# KiCad board panel2.kicad_pcb (continued)
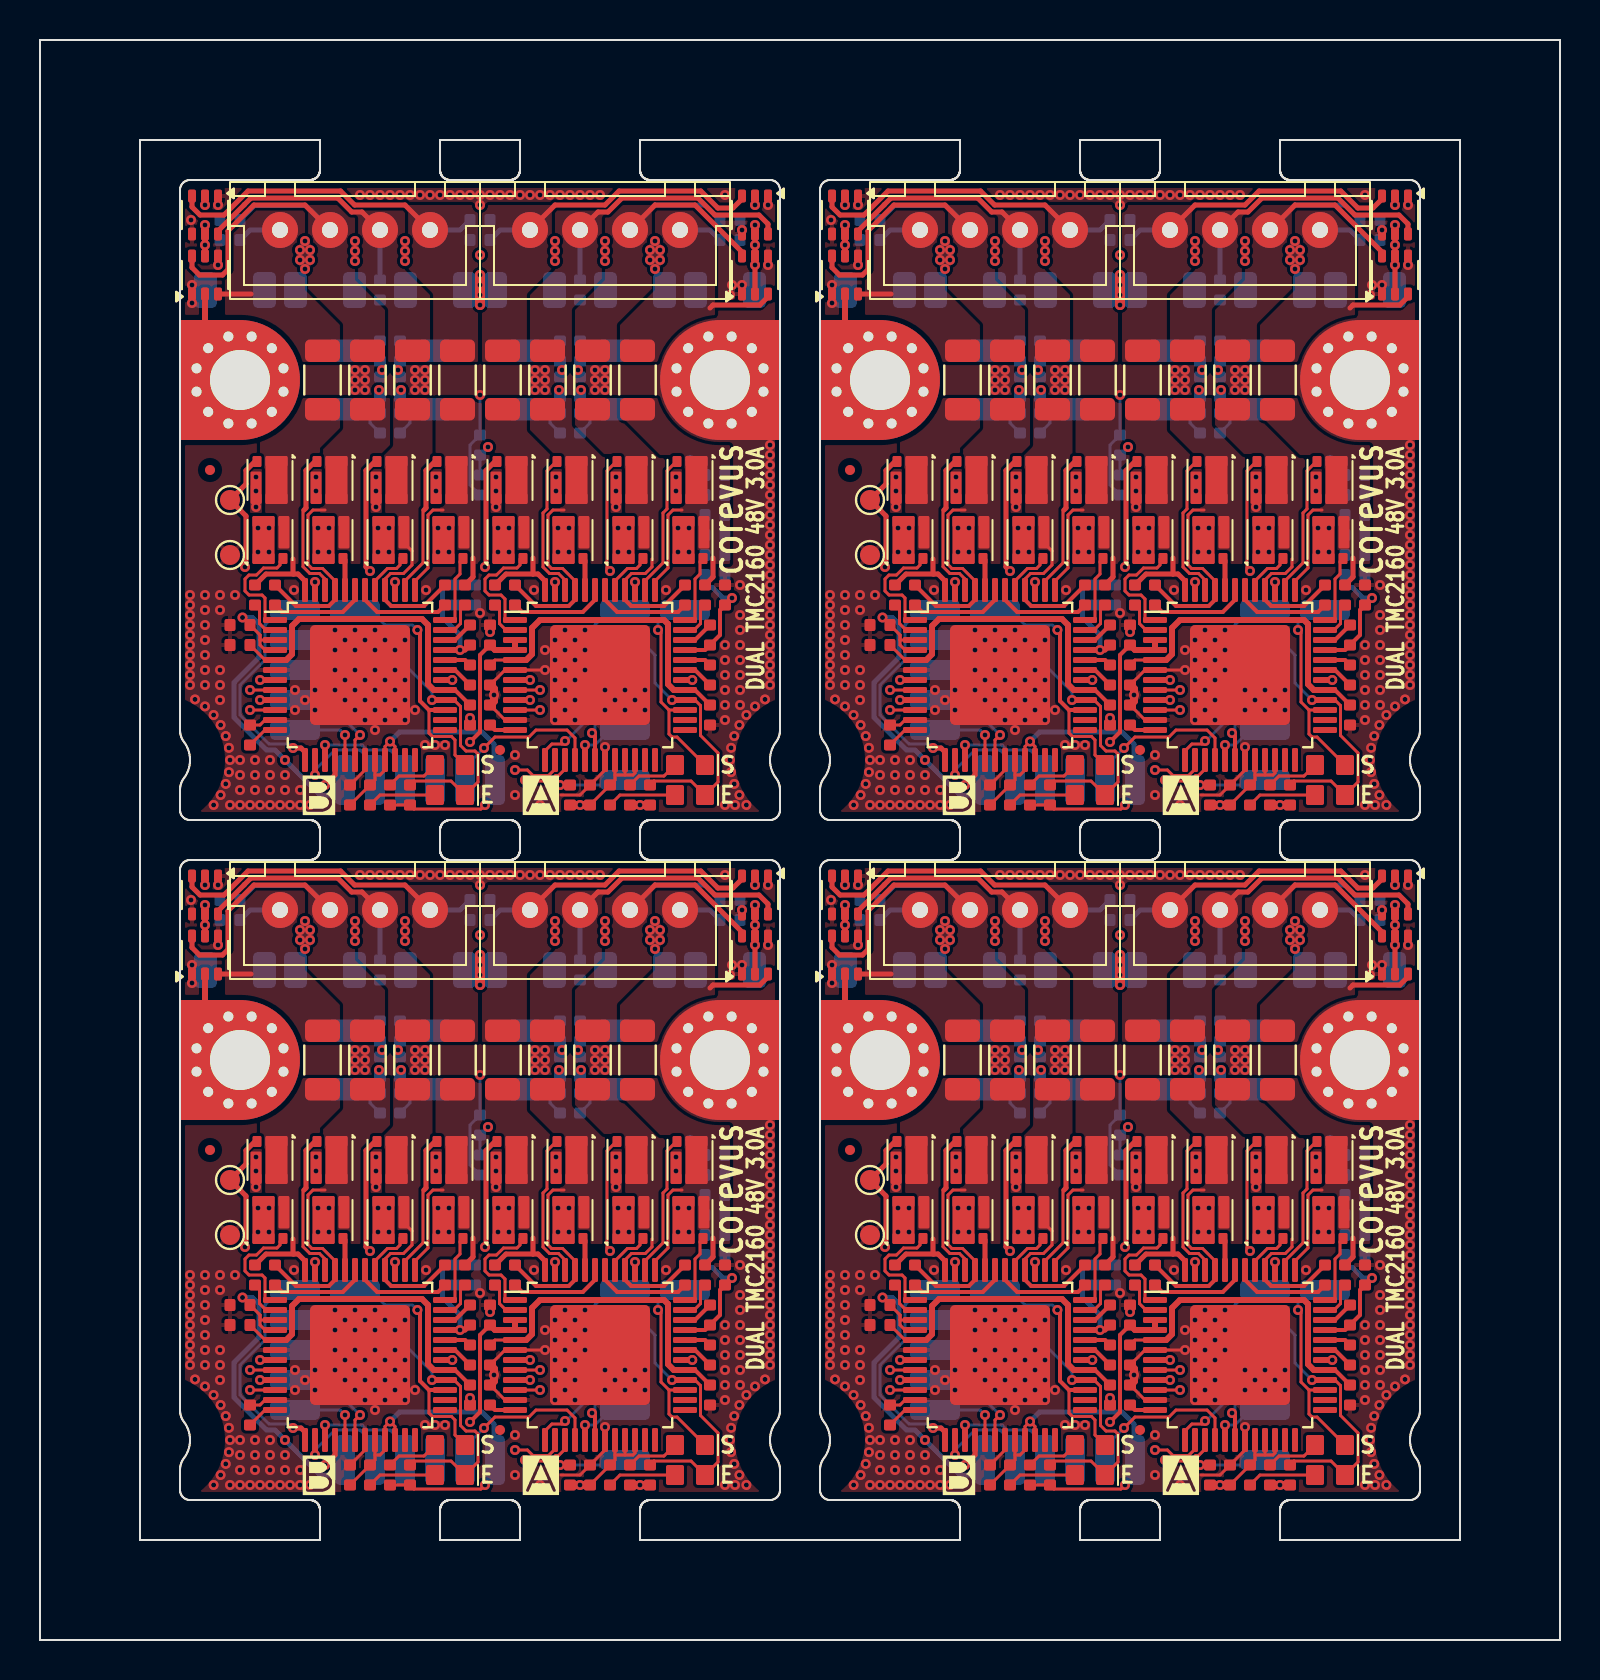
[diagram p0: board, top side]
## Routing (per net, layer and track width the routed paths; a pad name or vN(x,y) marks a point on that pad's centre or on a via; arc(x,y) is an arc through that point) (continued)
  Bottom w0.25: C17#3.2 65.25,71.75 62.75,71.75 J1#3.3
Board_1-/_{MA}A2: length 5.9
  Top w0.15: 62.75,52.95 63.4,53.6 63.4,56.25 63.65,56.5 64.1,56.5
  Top w0.25: 65.65,54.1 65.65,53.15 C11#2.2
Board_1-/_{MA}A2': length 5.6
  Top w0.25: 65.5,66.6 65.65,66.75 67.99,66.75 68.4,67.16 68.4,67.4
  Bottom w0.25: J1#3.4 65.5,70.5 C16.2
Board_1-/_{MA}B1: length 3.7
  Top w0.25: 56.65,53.3 56.65,54.1 ; 56.65,53.3 55.3,53.3 C8#3.2 ; 56.65,53.3 56.9,53.3 57.25,52.95
Board_1-/_{MA}B1': length 14.3
  Top w0.25: D3#2.3 67.1,72.05 66.65,71.6 65.89,71.6 65.04,72.45 60.95,72.45 60.25,71.75 57.75,71.75 J1#3.1
  Bottom w0.25: C19.2 55,70.5 J1#3.1
Board_1-/_{MA}B2: length 8.6
  Top w0.15: 58.75,52.96 58.13,53.58 57.58,53.58 57.4,53.75 57.4,56.25 57.65,56.5 58.2,56.5
  Top w0.2: C9.2 56.8,51.7 58.44,51.7 58.75,52.01
Board_1-/_{MA}B2': length 13.1
  Top w0.25: D3#2.6 68.4,70.8 67.95,71.25 65.74,71.25 64.89,72.1 61.1,72.1 60.4,71.4 59.9,71.4 J1#3.2
  Bottom w0.25: C18#3.2 59,70
Board_1-/_{MA}Dir: length 4.9
  Top w0.2: U1#2.18 59.75,45.2 v1(59.6,45.35)
  Bottom w0.15: v1(59.6,45.35) 59.75,45.5 59.75,47.75 60.5,48.5
Board_1-/_{MA}HA1: length 1.8
  Top w0.15: 60.75,52.96 61.37,53.58 61.82,53.58 62,53.75 62,53.92
Board_1-/_{MA}HA2: length 3
  Top w0.15: 65,53.92 65,53.3 64.75,53.05 64.75,51
Board_1-/_{MA}HB1: length 5.2
  Top w0.15: 55.25,51 55.25,52.05 55.05,52.25 54.45,52.25 54.25,52.45 54.25,53.05 54.45,53.25 54.83,53.25 55.18,53.6 55.85,53.6 56,53.75 56,54.05
Board_1-/_{MA}HB2: length 1.5
  Top w0.25: 59.25,53.98 U1#2.44
Board_1-/_{MA}LA1: length 7.2
  Top w0.15: 60.82,58.92 60.35,58.46 60.35,53.6 v1(60.5,53.45)
  In2.Cu w0.25: v1(60.5,53.45) 61.05,52.9 v1(61.75,52.9)
Board_1-/_{MA}LA2: length 6.6
  Top w0.15: 63.82,58.92 63.35,58.46 63.35,56.55 63.15,56.35 63.15,53.86 62.25,52.96
Board_1-/_{MA}LB1: length 10.2
  Top w0.25: v1(54.25,53.65) 54.3,53.7 54.3,58.48 54.75,58.92
  In2.Cu w0.25: v1(57.75,52.9) 57.75,52.75 56.95,51.95 55.95,51.95 v1(54.25,53.65)
Board_1-/_{MA}LB2: length 6.9
  Top w0.15: 57.82,58.92 57.35,58.46 57.35,56.55 57.15,56.35 57.15,53.65 57.47,53.33 57.93,53.33 58.25,53
Board_1-/_{MA}SRAH: length 19.6
  Top w0.15: U1#2.8 v1(57,47.5)
  In2.Cu w0.15: v1(59.05,62.5) 58.88,62.33 58.88,60.48 60,59.35 60,54.12 59.75,53.5 59.75,52.75 56.5,49.5 56.5,48.6 57,48.1 v1(57,47.5)
  Bottom w0.4: v1(59.05,62.5) 59,62.45 C21#2.2 R11#3.2
Board_1-/_{MA}SRAL: length 19.2
  Top w0.15: U1#2.7 v1(56.5,48)
  In2.Cu w0.15: v1(56.5,48) 56.25,48.25 56.25,49.6 59.5,52.85 59.5,53.62 59.75,54.25 59.75,59.25 58.62,60.38 58.62,63.23 v1(58.9,63.5)
  Bottom w0.4: C21#2.1 58.9,63.25 58.9,63.85 R12#3.2
Board_1-/_{MA}SRBH: length 23.1
  Top w0.15: U1#2.9 v1(56.5,47)
  In2.Cu w0.15: v1(57.95,62.5) 58.12,62.33 58.12,60.17 59.25,59.04 59.25,54.5 59,53.88 59,53.06 55.75,49.81 55.75,46.8 56.55,46 57.12,46 57.43,46.3 57.43,46.7 57.12,47 v1(56.5,47)
  Bottom w0.4: v1(57.95,62.5) 58,62.45 C20#4.2 R8#2.2
Board_1-/_{MA}SRBL: length 21.9
  Top w0.15: U1#2.10 v1(57,46.5)
  In2.Cu w0.15: v1(57,46.5) 56.4,46.5 56,46.9 56,49.71 59.25,52.96 59.25,53.75 59.5,54.38 59.5,59.15 58.38,60.27 58.38,63.23 v1(58.1,63.5)
  Bottom w0.4: C20#4.1 58.1,63.25 58.1,63.85 R9#4.2
Board_1-/_{MA}Stall: length 9.9
  Top w0.15: 63.45,46.5 63.05,46.9 63.05,50.35 v1(62.9,50.5) ; 63.45,46.5 63.45,45.3 63.6,45.15 63.85,45.15 D2.1 ; 63.45,46.5 U1#2.27
  Bottom w0.15: v1(62.9,50.5) 62.9,50.9 63.5,51.5
Board_1-/_{MA}Step: length 2.3
  Top w0.2: U1#2.17 v1(59.25,44.75)
  Bottom w0.15: v1(59.25,44.75) 59.75,44.75 60.5,45.5
Board_1-/_{MA}~{CS}: length 8.7
  Top w0.15: v1(58.25,44.95) 58.1,44.8 57.59,44.8 57.25,44.46
  Bottom w0.15: v1(58.25,44.95) 58.3,44.95 59.5,46.15 59.5,47.85 59.75,48.1 59.75,50.75 60.5,51.5
Board_1-/_{MA}~{En}: length 12.9
  Top w0.15: 64.75,47 65.03,46.73 65.03,45.23 65.9,44.35 65.9,42.9 D1#2.1 64.55,42.95 62.7,42.95 R2#2.2 ; U1#2.28 v1(63.6,47)
  Bottom w0.15: 62.05,49.95 62.75,49.25 62.75,47.85 v1(63.6,47)
Board_1-/_{MB}A1: length 7
  Top w0.15: 50.2,54.85 50.6,54.45 50.6,53.75 50.18,53.33 49.53,53.33 49.25,53.05 U2#2.40
  Top w0.2: C31#4.2 51.2,51.7 49.56,51.7 49.25,52.01
Board_1-/_{MB}A1': length 11.4
  Top w0.25: J2.3 48.1,71.4 47.58,71.4 46.88,72.1 42.55,72.1 40.9,70.45
  Bottom w0.25: C35#3.2 49,70
Board_1-/_{MB}A2: length 5.9
  Top w0.15: 50.75,52.95 51.4,53.6 51.4,56.25 51.65,56.5 52.15,56.5
  Top w0.25: C32.2 53.65,53.15 53.65,54.1
Board_1-/_{MB}A2': length 16.1
  Top w0.25: D7#3.3 39.6,71.65 40,71.25 41.2,71.25 42.4,72.45 47.03,72.45 47.73,71.75 50.25,71.75 J2.4
  Bottom w0.25: J2.4 53,70.5 C34#2.2
Board_1-/_{MB}B1: length 3.6
  Top w0.25: 45.25,52.95 44.9,53.3 43.3,53.3 C29.2 ; 44.65,53.3 44.65,54.05
Board_1-/_{MB}B1': length 3.9
  Top w0.25: D8.3 42.55,67.3
  Bottom w0.25: J2.1 42.5,70.5 C37#3.2
Board_1-/_{MB}B2: length 8.7
  Top w0.15: 46.25,56.5 45.65,56.5 45.4,56.25 45.4,53.77 45.6,53.58 46.13,53.58 46.75,52.96
  Top w0.2: C30#3.2 44.8,51.7 46.44,51.7 46.75,52.01
Board_1-/_{MB}B2': length 16
  Top w0.25: J2.2 45.25,71.75 42.69,71.75 41.4,70.46 41.4,68.53 41.12,68.25 39.97,68.25 39.6,68.62 D8.6
  Bottom w0.25: J2.2 45.28,71.72 42.72,71.72 C36#3.2
Board_1-/_{MB}Dir: length 5.6
  Top w0.15: U2#2.18 47.75,45 v1(48,45.25)
  Bottom w0.15: v1(48,45.25) 46.25,47 46.25,47.75 45.5,48.5
Board_1-/_{MB}HA1: length 1.9
  Top w0.15: 50,54.1 50,53.75 49.82,53.58 49.37,53.58 48.75,52.96
Board_1-/_{MB}HA2: length 3
  Top w0.15: 53,53.92 53,53.3 52.75,53.05 52.75,51
Board_1-/_{MB}HB1: length 5.1
  Top w0.15: 43.25,51 43.25,52.1 43.1,52.25 42.45,52.25 42.25,52.45 42.25,53.05 42.45,53.25 42.83,53.25 43.18,53.6 43.85,53.6 44,53.75 44,53.93
Board_1-/_{MB}HB2: length 1.5
  Top w0.25: U2#2.44 47.25,54
Board_1-/_{MB}LA1: length 7.2
  Top w0.25: 48.75,58.92 48.3,58.48 48.3,53.65 v1(48.5,53.45)
  In2.Cu w0.25: v1(48.5,53.45) 49.05,52.9 v1(49.75,52.9)
Board_1-/_{MB}LA2: length 6.6
  Top w0.15: 50.25,52.96 51.15,53.86 51.15,56.5
  Top w0.25: 51.2,56.5 51.3,56.6 51.3,58.48 51.75,58.92
Board_1-/_{MB}LB1: length 10.8
  Top w0.25: 42.75,58.93 42.3,58.48 42.3,57.8 TP5#4.1 42.3,56.2 42.3,53.7 v1(42.25,53.65)
  In2.Cu w0.25: v1(42.25,53.65) 43.95,51.95 44.95,51.95 45.75,52.75 v1(45.75,52.9)
Board_1-/_{MB}LB2: length 7.4
  Top w0.15: 45.15,56.5 45.15,53.67 45.49,53.33 45.97,53.33 46.25,53.05 U2#2.46
  Top w0.25: 45.2,56.5 45.3,56.6 45.3,58.48 45.75,58.92
Board_1-/_{MB}SRAH: length 20.8
  Top w0.15: v1(42.5,47.5) U2#2.8
  In2.Cu w0.15: v1(50.05,62.5) 49.88,62.33 49.88,60.72 48,58.84 48,54.12 47.75,53.5 47.75,52.1 43.15,47.5 v1(42.5,47.5)
  Bottom w0.3: C41#4.2 R19#4.2
  Bottom w0.4: v1(50.05,62.5) 50.05,62.2
Board_1-/_{MB}SRAL: length 19.4
  In2.Cu w0.15: v1(43,48) 43.29,48 47.5,52.21 47.5,53.62 47.75,54.25 47.75,58.95 49.62,60.82 49.62,63.23 v1(49.9,63.5)
  Bottom w0.4: C41#4.1 49.9,63.25 v1(49.9,63.5) 49.9,63.85 R21.2
Board_1-/_{MB}SRBH: length 22.9
  In2.Cu w0.15: v1(48.95,62.5) 49.12,62.33 49.12,61.03 47.25,59.15 47.25,54.5 47,53.88 47,52.41 43.34,48.75 42.65,48.75 41.75,47.85 41.75,46.5 42.25,46 42.75,46 43,46.25 v1(43,47)
  Bottom w0.3: C33#3.2 R14#4.2
  Bottom w0.4: v1(48.95,62.5) 48.95,62.2
Board_1-/_{MB}SRBL: length 22.9
  Top w0.15: v1(42.5,46.5) U2#2.10
  In2.Cu w0.15: v1(49.1,63.5) 49.38,63.23 49.38,60.93 47.5,59.05 47.5,54.38 47.25,53.75 47.25,52.31 43.44,48.5 42.75,48.5 42,47.75 42,47 v1(42.5,46.5)
  Bottom w0.4: C33#3.1 49.1,63.25 v1(49.1,63.5) 49.1,63.85 R15#2.2
Board_1-/_{MB}Stall: length 11.9
  Top w0.15: 51.45,46.5 51.45,45.34 51.62,45.17 52.57,45.17 52.75,45 52.75,44.25 D6#4.1
  Top w0.2: v1(50.87,50.5) 51,50.37 51,46.95 51.45,46.5 U2#2.27
  Bottom w0.15: 48.5,51.5 49.25,50.75 50.62,50.75 v1(50.87,50.5)
Board_1-/_{MB}Step: length 3.9
  Top w0.15: v1(47.25,45.25) U2#2.17
  Bottom w0.15: T15#4.1 47,45.5 v1(47.25,45.25)
Board_1-/_{MB}~{CS}: length 10.1
  Top w0.25: 45.25,44.4 45.05,44.6 v1(44.65,44.6)
  Bottom w0.15: 44,51.5 43.25,50.75 43.25,49 42,47.75 42,46.25 43.45,44.8 44.45,44.8 v1(44.65,44.6)
Board_1-/_{MB}~{En}: length 17.1
  Top w0.15: U2#2.28 v1(51.6,47) ; 52.71,47 53.03,46.68 53.03,44.73 53.3,44.45 53.75,44.45 53.9,44.3 53.9,42.9 D5#4.1 52.55,42.95 50.7,42.95 R4#3.2
  Bottom w0.15: 45.5,50 46.5,49 50,49 51.6,47.4 v1(51.6,47)
Board_1-/SCK: length 18.3
  Top w0.15: 57.75,43.54 57.43,43.23 56.64,43.23 56.37,43.5 v1(55.75,43.5)
  Top w0.25: v1(45.75,43.25) U2#2.14
  In2.Cu w0.15: v1(55.75,43.5) 55.25,43 53.25,43 52.5,42.25 46.1,42.25 45.75,42.6 v1(45.75,43.25)
  Bottom w0.15: v1(45.75,43.25) 45.75,43.5 46.75,44.5 48,44.5 48.75,43.75
Board_1-/SDI: length 21.6
  Top w0.15: 58.25,43.54 57.93,43.23 57.78,43.23 57.51,42.95 56.3,42.95 v1(56.25,43)
  Top w0.25: v1(46.25,44.75) U2#2.15
  In2.Cu w0.15: v1(56.25,43) 55.6,43 55.35,42.75 53.35,42.75 52.6,42 46,42 45.5,42.5 45.5,42.9 45.25,43.15 45.25,43.75 v1(46.25,44.75)
  Bottom w0.15: v1(46.25,44.75) 48.1,44.75 48.35,44.5 49.5,44.5 50.25,43.75
Board_1-/SDO: length 18.1
  Top w0.15: U1#2.16 58.75,45.1 58.35,45.5 56.8,45.5 56.45,45.15 54.75,45.15 v1(54.2,44.6)
  Top w0.25: U2#2.16 46.75,43.25 v1(46.25,42.75)
  In2.Cu w0.15: v1(46.25,42.75) 46.5,42.5 52.4,42.5 54.2,44.3 v1(54.2,44.6)
  Bottom w0.15: v1(54.2,44.6) 53.25,43.65
Board_1-/THERM: length 24.2
  Top w0.15: v1(58,42.75) R20.1
  In2.Cu w0.25: v1(54.4,59.65) 53.5,58.75 53.5,47.25 v1(58,42.75)
  Bottom w0.15: TH1#4.1 C13#4.1 v1(54.4,59.65) ; v1(58,42.75) 61,42.75
Board_1-GND: length 73.1
  Top w0.15: C26#2.1 48.25,43.5 ; R5#2.2 43,45.75 43.25,46 ; 55.25,48.5 C4.1 ; 58.05,42.25 59,42.25 C3.1 60.25,43.5 ; C25#3.1 v1(53.5,46.1) ; 55.25,46 R3.2 ; U1#2.6 57.25,48.5 v1(57.25,48.5)
  Top w0.25: v1(40.9,68.75) D8.4 ; U1#2.19 60.25,44.65 v1(60.25,44.65)
  Top w0.3: v1(40.9,71.75) D7#3.1
  Top w0.4: R3.2 54.7,46.95 54.7,47.55 C4.1
  In2.Cu w0.1: 46.55,53.5 46.95,54.5 46.95,54.55 ; 48.05,53.5 48.25,54 ; 58.55,53.5 58.95,54.5 ; 60.05,53.5 60.25,54
  In2.Cu w0.15: v1(57.25,63.5) 57.75,64 59.25,64 v1(59.75,63.5) ; 46.95,54.55 47,54.6 47,59.26 48.88,61.13 48.88,61.88 v1(48.25,62.5) ; v1(57.25,62.5) 57.88,61.88 57.88,60.06 59,58.94 59,54.55 58.95,54.5 ; 60.25,54 60.25,59.46 59.12,60.58 59.12,61.88 v1(59.75,62.5) ; v1(50.75,63.5) 50.25,64 48.75,64 v1(48.25,63.5) ; 48.25,54 48.25,58.74 50.12,60.62 50.12,61.88 v1(50.75,62.5)
  In2.Cu w0.5: v1(68.5,53.25) v1(68.5,59.75) 68.5,60.5 H2#3.1
  Bottom w0.15: v1(54,62.25) C13#4.2 53.5,59.75 53.5,57.75 TH1#4.2
  vias: v1(39.5,52.25) v1(39.5,51.75) v1(39.5,51.25) v1(39.5,50.75) v1(39.5,50.25) v1(39.5,49.75) v1(39.5,49.25) v1(39.5,48.75) v1(39.5,48.25) v1(39.5,47.75) v1(39.55,71) v1(39.6,67.75) v1(39.6,66.85) v1(39.75,47.03) v1(40.25,46.68) v1(40.25,52.25) v1(40.25,51.5) v1(40.25,50.75) v1(40.25,50) v1(40.25,49.25) v1(40.25,48.5) v1(40.25,47.75) v1(40.68,46.25) v1(40.68,41.75) v1(41,52.25) v1(41,51.5) v1(41,48.5) v1(41,47.75) v1(41,47) v1(41.03,45.75) v1(41.03,42.25) v1(41.29,45.2) v1(41.29,42.8) v1(41.45,44.61) v1(41.45,43.39) v1(41.5,44) v1(41.5,41.75) v1(41.75,52.25) v1(42,44) v1(42,43.25) v1(42,42.5) v1(42,41.75) v1(42.5,41.75) v1(42.75,44) v1(42.75,43.25) v1(42.75,42.5) v1(43,41.75) v1(43.5,44) v1(43.5,43.25) v1(43.5,42.5) v1(43.5,41.75) v1(44,41.75) v1(44.25,43.25) v1(44.25,42.5) v1(44.5,41.75) v1(44.7,52.5) v1(44.75,47.5) v1(44.75,46.5) v1(45,42.5) v1(45,41.75) v1(45.25,47) v1(45.5,41.75) v1(45.75,47.5) v1(45.75,46.5) v1(46.75,50.5) v1(46.75,49.5) v1(46.75,48.5) v1(46.75,47.5) v1(47.25,50) v1(47.25,48) v1(47.25,47) v1(47.75,69.95) v1(47.75,69.45) v1(47.75,68.95) v1(47.75,63.5) v1(47.75,63) v1(47.75,62.5) v1(47.75,50.5) v1(47.75,49.5) v1(47.75,48.5) v1(47.75,47.5) v1(47.75,46.5) v1(48,72.25) v1(48.25,63) v1(48.25,50) v1(48.25,48) v1(48.25,47) v1(48.25,46) v1(48.5,72.25) v1(48.75,50.5) v1(48.75,49.5) v1(48.75,48.5) v1(48.75,47.5) v1(48.75,46.5) v1(48.75,45.5) v1(49,72.25) v1(49.25,50) v1(49.25,48) v1(49.25,47) v1(49.25,46) v1(49.5,72.25) v1(49.75,49.5) v1(49.75,48.5) v1(49.75,47.5) v1(49.75,46.5) v1(50,72.25) v1(50.25,69.95) v1(50.25,69.45) v1(50.25,68.95) v1(50.25,50) v1(50.25,48) v1(50.25,47) v1(50.25,46) v1(50.5,72.25) v1(50.75,63) v1(50.75,46.5) v1(51,72.25) v1(51.25,63.5) v1(51.25,63) v1(51.25,62.5) v1(51.3,52.5) v1(51.25,44.75) v1(51.5,72.25) v1(51.75,44.75) v1(52,72.25) v1(52.25,44.75) v1(52.5,72.25) v1(52.61,48) v1(53,72.25) v1(53.5,72.25) v1(54,72.25) v1(54,71.75) v1(54,69.25) v1(54,51.35) v1(54.5,72.25) v1(54.5,50.4) v1(54.7,47.25) v1(55,72.25) v1(55.5,72.25) v1(55.75,44.25) v1(55.75,42.25) v1(56,72.25) v1(56.5,72.25) v1(56.75,63.5) v1(56.75,63) v1(56.75,62.5) v1(56.7,52.5) v1(57,72.25) v1(57,41.75) v1(57.25,63) v1(57.25,49.5) v1(57.5,72.25) v1(57.75,69.95) v1(57.75,69.45) v1(57.75,68.95) v1(57.75,50) v1(57.75,49) v1(57.75,48) v1(57.75,47) v1(57.75,46) v1(58,72.25) v1(58.25,50.5) v1(58.25,49.5) v1(58.25,48.5) v1(58.25,47.5) v1(58.25,46.5) v1(58.5,72.25) v1(58.75,50) v1(58.75,49) v1(58.75,48) v1(58.75,47) v1(58.75,46) v1(59,72.25) v1(59.25,50.5) v1(59.25,49.5) v1(59.25,48.5) v1(59.5,72.25) v1(59.75,63) v1(60,72.25) v1(60.25,69.95) v1(60.25,69.45) v1(60.25,68.95) v1(60.25,63.5) v1(60.25,63) v1(60.25,62.5) v1(60.25,47.5) v1(60.25,46.5) v1(60.75,47) v1(61.25,47.5) v1(61.25,46.5) v1(61.75,47) v1(62.25,47.5) v1(62.25,46.5) v1(63.3,52.5) v1(64.61,48) v1(66.25,72.25) v1(66.25,49.75) v1(66.25,49) v1(66.25,48.25) v1(66.25,47.5) v1(66.25,46.75) v1(66.25,46) v1(66.25,41.75) v1(66.5,67.25) v1(66.5,44) v1(66.6,67.75) v1(66.55,44.61) v1(66.55,43.39) v1(66.71,45.2) v1(66.71,42.8) v1(66.75,41.75) v1(67,52.75) v1(67,51.25) v1(67,50.5) v1(67,49.75) v1(67,49) v1(67,48.25) v1(67,47.5) v1(67,46.75) v1(66.97,45.75) v1(66.97,42.25) v1(67.1,70.5) v1(67.1,67.75) v1(67.32,46.25) v1(67.32,41.75) v1(67.75,46.68) v1(68.25,47.03) v1(68.4,71.75) v1(68.4,68.75) v1(68.5,59.25) v1(68.5,58.75) v1(68.5,58.25) v1(68.5,57.75) v1(68.5,57.25) v1(68.5,56.75) v1(68.5,56.25) v1(68.5,55.75) v1(68.5,55.25) v1(68.5,54.75) v1(68.5,54.25) v1(68.5,53.75) v1(68.5,52.75) v1(68.5,52.25) v1(68.5,51.75) v1(68.5,51.25) v1(68.5,50.75) v1(68.5,50.25) v1(68.5,49.75) v1(68.5,49.25) v1(68.5,48.75) v1(68.5,48.25) v1(68.5,47.75)
Board_1-Net-(D1-A): length 3.5
  Top w0.15: R1#2.2 61,42.25 D1#2.2
Board_1-Net-(D2-A): length 2.7
  Top w0.15: R16.2 61.95,43.2 63.2,43.2 D2.2
Board_1-Net-(D5-A): length 3.5
  Top w0.15: R6#2.2 49,42.25 D5#4.2
Board_1-Net-(D6-A): length 2.7
  Top w0.15: R7#3.2 49.95,43.2 51.2,43.2 D6#4.2
Board_1-Net-(NT1-Pad1): length 1.8
  Bottom w0.15: NT1#3.1 57.5,61.7 57.5,60.85 R8#2.1
Board_1-Net-(NT1-Pad2):
  vias: v1(54.8,58.15) v1(54.8,57.45) v1(54.8,56.65) v1(57.8,58.15) v1(57.8,57.45)
Board_1-Net-(NT2-Pad1): length 0.9
  Bottom w0.15: NT2#2.1 57.5,64.45 R9#4.1
Board_1-Net-(NT3-Pad1):
  vias: v1(60.8,58.15) v1(60.8,57.45) v1(60.8,56.65) v1(63.8,58.15) v1(63.8,57.45)
Board_1-Net-(NT3-Pad2): length 1.8
  Bottom w0.15: NT3#4.2 59.5,61.7 59.5,60.85 R11#3.1
Board_1-Net-(NT4-Pad2): length 0.9
  Bottom w0.15: NT4#3.2 59.5,64.45 R12#3.1
Board_1-Net-(NT5-Pad1): length 1.8
  Bottom w0.15: R14#4.1 48.5,60.85 48.5,61.7 NT5#4.1
Board_1-Net-(NT5-Pad2):
  vias: v1(42.8,58.15) v1(42.8,57.45) v1(42.8,56.65) v1(45.8,58.15) v1(45.8,57.45)
Board_1-Net-(NT6-Pad1): length 0.9
  Bottom w0.15: NT6#4.1 48.5,64.45 R15#2.1
Board_1-Net-(NT7-Pad1):
  vias: v1(48.8,58.15) v1(48.8,57.45) v1(48.8,56.65) v1(51.8,58.15) v1(51.8,57.45)
Board_1-Net-(NT7-Pad2): length 1.8
  Bottom w0.15: R19#4.1 50.5,60.85 50.5,61.7 NT7.2
Board_1-Net-(NT8-Pad2): length 0.9
  Bottom w0.15: NT8#3.2 50.5,64.45 R21.1
Board_1-Net-(U1-5VOUT): length 15.7
  Top w0.15: U1#2.5 54.75,49 C4.2
  Top w0.2: 64.75,47.5 C5#3.2
  Top w0.3: U1#2.5 56.31,49 56.6,49.29 56.6,50.6 57,51 63.2,51 63.4,50.8 63.4,47.79 63.69,47.5 U1#2.29
Board_1-Net-(U1-CA1): length 4.4
  Top w0.2: 60.25,52.01 60.86,51.4 63.9,51.4 C10.1
Board_1-Net-(U1-CA2): length 1.5
  Top w0.15: 64.71,50.5 65.03,50.82 65.03,51.53 C11#2.1
Board_1-Net-(U1-CB1): length 1.5
  Top w0.15: C8#3.1 54.97,51.53 54.97,50.82 55.29,50.5
Board_1-Net-(U1-CB2): length 4.4
  Top w0.2: 59.75,52.01 59.14,51.4 56.1,51.4 C9.1
Board_1-Net-(U1-CLK): length 1.4
  Top w0.2: R3.1 54.75,45.5 U1#2.12
Board_1-Net-(U1-CPI): length 1.4
  Top w0.2: U1#2.32 65.25,49 C2#3.2
Board_1-Net-(U1-CPO): length 1.1
  Top w0.2: 64.75,48.5 C2#3.1
Board_1-Net-(U1-VCP): length 1.1
  Top w0.2: 64.75,50 65.53,50.78
Board_1-Net-(U2-5VOUT): length 15.5
  Top w0.15: 43.25,49 C24#3.2
  Top w0.2: 52.75,47.5 C25#3.2
  Top w0.3: U2#2.29 51.69,47.5 51.4,47.79 51.4,50.75 51.1,51.05 44.95,51.05 44.6,50.7 44.6,49.29 44.31,49 U2#2.5
Board_1-Net-(U2-CA1): length 4.4
  Top w0.2: C31#4.1 51.9,51.4 48.86,51.4 48.25,52.01
Board_1-Net-(U2-CA2): length 1.5
  Top w0.15: 52.71,50.5 53.03,50.82 53.03,51.52 C32.1
Board_1-Net-(U2-CB1): length 1.5
  Top w0.15: 43.29,50.5 42.97,50.82 42.97,51.53 C29.1
Board_1-Net-(U2-CB2): length 4.4
  Top w0.2: 47.75,52.01 47.14,51.4 44.1,51.4 C30#3.1
Board_1-Net-(U2-CLK): length 1.1
  Top w0.15: R5#2.1 43.25,45.5
Board_1-Net-(U2-CPI): length 1.4
  Top w0.2: U2#2.32 53.25,49 C23#3.2
Board_1-Net-(U2-CPO): length 1.1
  Top w0.2: 52.75,48.5 C23#3.1
Board_1-Net-(U2-VCP): length 1.1
  Top w0.2: 52.75,50 C22#2.1
Board_1-VCC: length 34.8
  Top w0.15: 60.75,43.25 61.25,43.25 ; 60.75,43.25 60.75,43 R1#2.1 C3.2 v1(59,41.75) R20.2 ; 60.75,43.25 U1#2.20 ; 61.25,43.25 61.65,43.25 61.75,43.35 U1#2.22 ; 61.25,43.25 U1#2.21 ; R7#3.1 R4#3.1 50.7,41.55 54.05,41.55 v1(54.25,41.75) ; U2#2.21 49.25,44.67 v1(49.5,44.92) 49.75,44.67 U2#2.22 ; U2#2.20 48.75,43.25 ; 48.75,43.25 48.75,43 R6#2.1 C26#2.2 ; 48.75,43.25 49,43.25 49.25,43.5
  Top w0.4: R16.1 v1(62,41.75) R2#2.1 ; C3.2 R20.2
  In2.Cu w0.15: v1(62,41.75) v1(59,41.75) 57.75,41.75 57.32,42.17 56.68,42.17 56.25,41.75 v1(54.25,41.75)
  Bottom w0.15: v1(54.25,41.75) 54.75,42.25
  Bottom w0.25: v1(49.5,44.92) 49.97,45.4 54.1,45.4 54.7,44.8 54.7,43.05
Board_2-+12V: length 36.4
  Top w0.15: 11,16.25 11,15.75 11.25,15.5 ; 11,16.25 11,16 U2#3.3 ; 11,16.25 C27#3.1 v1(10.12,17.12)
  Top w0.2: v1(21.5,10.9) 22,11.4 22,15.25 C6.1
  Top w0.3: U1#3.3 U1#3.4 22.75,15.5 C6.1
  In2.Cu w0.25: v1(21.5,10.9) 21.5,10.25 20.25,9 15,9 14.75,9.25 14.75,11 14.5,11.25 14,11.25 12.75,10 v1(12.25,10)
  Bottom w0.25: v1(10.12,17.12) 10.62,17.12 10.95,16.8 10.95,15.12 9.7,13.87 9.7,12.13 11.33,10.5 11.75,10.5 v1(12.25,10) 14,8.25 15.25,8.25
Board_2-+48V: length 19.3
  Top w0.2: v1(34.6,18.1) 34,17.5 34,16.25 33.25,15.5 U1#3.33
  Top w0.25: U2#3.33 v1(21,15.5) 21.25,15.5 C22#3.2 ; 35.75,33.55 v1(35.75,34.75) v1(35.75,35.75) v1(35.75,36.75) ; D3.2 v1(35.75,37.75)
  Top w0.3: D8#2.5 v1(8.25,35.75) v1(8.25,36.75) ; D8#2.2 8.25,31.5
  Top w0.5: v1(22,34.25) v1(22,32.75)
  Bottom w0.25: 33.12,18.62 33.62,18.62 34.15,18.1 v1(34.6,18.1) ; v1(21,15.5) 21,16.25 20.12,17.12 20.12,18.75
  vias: v1(8.25,37.75) v1(10.9,21.6) v1(10.9,20.4) v1(11.45,21.6) v1(11.45,20.4) v1(13,35.5) v1(13,35) v1(13.25,35.95) v1(13.25,34.55) v1(13.5,35.5) v1(13.5,35) v1(13.9,21.6) v1(13.9,20.4) v1(14.45,21.6) v1(14.45,20.4) v1(16.9,21.6) v1(16.9,20.4) v1(17.45,21.6) v1(17.45,20.4) v1(19.9,21.6) v1(19.9,20.4) v1(20.45,21.6) v1(20.45,20.4) v1(22,33.75) v1(22,33.25) v1(22.9,21.6) v1(22.9,20.4) v1(23.45,21.6) v1(23.45,20.4) v1(25.9,21.6) v1(25.9,20.4) v1(26.45,21.6) v1(26.45,20.4) v1(28.9,21.6) v1(28.9,20.4) v1(29.45,21.6) v1(29.45,20.4) v1(30.5,35.5) v1(30.5,35) v1(30.75,35.95) v1(30.75,34.55) v1(31,35.5) v1(31,35) v1(31.9,21.6) v1(31.9,20.4) v1(32.45,21.6) v1(32.45,20.4)
Board_2-/_{MA}A1: length 5.6
  Top w0.15: 29.25,19 29.57,19.33 30.27,19.33 30.6,19.66 30.6,20.05
  Top w0.2: C10#4.2 31.2,17.7 29.56,17.7 29.25,18.01
Board_2-/_{MA}A1': length 12.6
  Top w0.25: D4#2.6 35.1,35.4 32.75,37.75 30.75,37.75 J1#2.3
  Bottom w0.25: J1#2.3 30.75,37.75 33.25,37.75 C17#2.2
Board_2-/_{MA}A2: length 5.9
  Top w0.15: 30.75,18.95 31.4,19.6 31.4,22.25 31.65,22.5 32.1,22.5
  Top w0.25: C11#3.2 33.65,19.15 33.65,20.1
Board_2-/_{MA}A2': length 5.6
  Top w0.25: 33.5,32.6 33.65,32.75 35.99,32.75 36.4,33.16 36.4,33.4
  Bottom w0.25: J1#2.4 33.5,36.5 C16#4.2
Board_2-/_{MA}B1: length 3.7
  Top w0.25: C8#2.2 23.3,19.3 24.65,19.3 ; 25.25,18.95 24.9,19.3 24.65,19.3 ; 24.65,19.3 24.65,20.1
Board_2-/_{MA}B1': length 14.3
  Top w0.25: J1#2.1 25.75,37.75 28.25,37.75 28.95,38.45 33.04,38.45 33.89,37.6 34.65,37.6 35.1,38.05 D3.3
  Bottom w0.25: J1#2.1 23,36.5 C19#4.2
Board_2-/_{MA}B2: length 8.6
  Top w0.15: 26.75,18.96 26.13,19.58 25.58,19.58 25.4,19.75 25.4,22.25 25.65,22.5 26.2,22.5
  Top w0.2: 26.75,18.01 26.44,17.7 24.8,17.7 C9#4.2
Board_2-/_{MA}B2': length 13.1
  Top w0.25: J1#2.2 27.9,37.4 28.4,37.4 29.1,38.1 32.89,38.1 33.74,37.25 35.95,37.25 36.4,36.8 D3.6
  Bottom w0.25: C18#2.2 27,36
Board_2-/_{MA}Dir: length 4.9
  Top w0.2: U1#3.18 27.75,11.2 v1(27.6,11.35)
  Bottom w0.15: v1(27.6,11.35) 27.75,11.5 27.75,13.75 28.5,14.5
Board_2-/_{MA}HA1: length 1.8
  Top w0.15: 28.75,18.96 29.37,19.58 29.82,19.58 30,19.75 30,19.92
Board_2-/_{MA}HA2: length 3
  Top w0.15: 33,19.92 33,19.3 32.75,19.05 32.75,17
Board_2-/_{MA}HB1: length 5.2
  Top w0.15: 24,20.05 24,19.75 23.85,19.6 23.18,19.6 22.83,19.25 22.45,19.25 22.25,19.05 22.25,18.45 22.45,18.25 23.05,18.25 23.25,18.05 23.25,17
Board_2-/_{MA}HB2: length 1.5
  Top w0.25: 27.25,19.97 U1#3.44
Board_2-/_{MA}LA1: length 7.2
  Top w0.15: v1(28.5,19.45) 28.35,19.6 28.35,24.46 28.82,24.92
  In2.Cu w0.25: v1(29.75,18.9) 29.05,18.9 v1(28.5,19.45)
Board_2-/_{MA}LA2: length 6.6
  Top w0.15: 31.82,24.92 31.35,24.46 31.35,22.55 31.15,22.35 31.15,19.86 30.25,18.96
Board_2-/_{MA}LB1: length 10.2
  Top w0.25: v1(22.25,19.65) 22.3,19.7 22.3,24.48 22.75,24.92
  In2.Cu w0.25: v1(25.75,18.9) 25.75,18.75 24.95,17.95 23.95,17.95 v1(22.25,19.65)
Board_2-/_{MA}LB2: length 6.9
  Top w0.15: 25.82,24.92 25.35,24.46 25.35,22.55 25.15,22.35 25.15,19.65 25.47,19.33 25.93,19.33 26.25,19
Board_2-/_{MA}SRAH: length 19.6
  Top w0.15: U1#3.8 v1(25,13.5)
  In2.Cu w0.15: v1(25,13.5) 25,14.1 24.5,14.6 24.5,15.5 27.75,18.75 27.75,19.5 28,20.12 28,25.35 26.88,26.48 26.88,28.33 v1(27.05,28.5)
  Bottom w0.4: v1(27.05,28.5) 27,28.45 C21#4.2 R11#4.2
Board_2-/_{MA}SRAL: length 19.2
  Top w0.15: U1#3.7 v1(24.5,14)
  In2.Cu w0.15: v1(24.5,14) 24.25,14.25 24.25,15.6 27.5,18.85 27.5,19.62 27.75,20.25 27.75,25.25 26.62,26.38 26.62,29.22 v1(26.9,29.5)
  Bottom w0.4: C21#4.1 26.9,29.25 26.9,29.85 R12#4.2
Board_2-/_{MA}SRBH: length 23.1
  Top w0.15: U1#3.9 v1(24.5,13)
  In2.Cu w0.15: v1(25.95,28.5) 26.12,28.33 26.12,26.17 27.25,25.04 27.25,20.5 27,19.88 27,19.06 23.75,15.81 23.75,12.8 24.55,12 25.12,12 25.43,12.3 25.43,12.7 25.12,13 v1(24.5,13)
  Bottom w0.4: v1(25.95,28.5) 26,28.45 C20.2 R8#3.2
Board_2-/_{MA}SRBL: length 21.9
  Top w0.15: U1#3.10 v1(25,12.5)
  In2.Cu w0.15: v1(25,12.5) 24.4,12.5 24,12.9 24,15.71 27.25,18.96 27.25,19.75 27.5,20.38 27.5,25.15 26.38,26.27 26.38,29.22 v1(26.1,29.5)
  Bottom w0.4: C20.1 26.1,29.25 26.1,29.85 R9.2
Board_2-/_{MA}Stall: length 9.9
  Top w0.15: v1(30.9,16.5) 31.05,16.35 31.05,12.9 31.45,12.5 ; D2#2.1 31.85,11.15 31.6,11.15 31.45,11.3 31.45,12.5 ; 31.45,12.5 U1#3.27
  Bottom w0.15: 31.5,17.5 30.9,16.9 v1(30.9,16.5)
Board_2-/_{MA}Step: length 2.3
  Top w0.2: U1#3.17 v1(27.25,10.75)
  Bottom w0.15: 28.5,11.5 27.75,10.75 v1(27.25,10.75)
Board_2-/_{MA}~{CS}: length 8.7
  Top w0.15: 25.25,10.46 25.59,10.8 26.1,10.8 v1(26.25,10.95)
  Bottom w0.15: 28.5,17.5 27.75,16.75 27.75,14.1 27.5,13.85 27.5,12.15 26.3,10.95 v1(26.25,10.95)
Board_2-/_{MA}~{En}: length 12.9
  Top w0.15: U1#3.28 v1(31.6,13) ; R2.2 30.7,8.95 32.55,8.95 D1#3.1 33.9,8.9 33.9,10.35 33.03,11.22 33.03,12.72 32.75,13
  Bottom w0.15: v1(31.6,13) 30.75,13.85 30.75,15.25 30.05,15.95
Board_2-/_{MB}A1: length 7
  Top w0.15: U2#3.40 17.25,19.05 17.53,19.33 18.18,19.33 18.6,19.75 18.6,20.45 18.2,20.85
  Top w0.2: C31.2 19.2,17.7 17.56,17.7 17.25,18.01
Board_2-/_{MB}A1': length 11.4
  Top w0.25: 8.9,36.45 10.55,38.1 14.88,38.1 15.58,37.4 16.1,37.4 J2#4.3
  Bottom w0.25: C35#2.2 17,36
Board_2-/_{MB}A2: length 5.9
  Top w0.15: 20.15,22.5 19.65,22.5 19.4,22.25 19.4,19.6 18.75,18.95
  Top w0.25: C32#3.2 21.65,19.15 21.65,20.1
Board_2-/_{MB}A2': length 16.1
  Top w0.25: J2#4.4 18.25,37.75 15.73,37.75 15.03,38.45 10.4,38.45 9.2,37.25 8,37.25 7.6,37.65 D7#2.3
  Bottom w0.25: J2#4.4 21,36.5 C34#3.2
Board_2-/_{MB}B1: length 3.6
  Top w0.25: 13.25,18.95 12.9,19.3 11.3,19.3 C29#3.2 ; 12.65,19.3 12.65,20.05
Board_2-/_{MB}B1': length 3.9
  Top w0.25: D8#2.3 10.55,33.3
  Bottom w0.25: C37#2.2 10.5,36.5 J2#4.1
Board_2-/_{MB}B2: length 8.7
  Top w0.15: 14.25,22.5 13.65,22.5 13.4,22.25 13.4,19.77 13.6,19.58 14.13,19.58 14.75,18.96
  Top w0.2: 14.75,18.01 14.44,17.7 12.8,17.7 C30#4.2
Board_2-/_{MB}B2': length 16
  Top w0.25: D8#2.6 7.6,34.62 7.97,34.25 9.12,34.25 9.4,34.53 9.4,36.46 10.69,37.75 13.25,37.75 J2#4.2
  Bottom w0.25: J2#4.2 13.28,37.73 10.72,37.73 C36#2.2
Board_2-/_{MB}Dir: length 5.6
  Top w0.15: U2#3.18 15.75,11 v1(16,11.25)
  Bottom w0.15: v1(16,11.25) 14.25,13 14.25,13.75 13.5,14.5
Board_2-/_{MB}HA1: length 1.9
  Top w0.15: 18,20.1 18,19.75 17.82,19.58 17.37,19.58 16.75,18.96
Board_2-/_{MB}HA2: length 3
  Top w0.15: 21,19.92 21,19.3 20.75,19.05 20.75,17
Board_2-/_{MB}HB1: length 5.1
  Top w0.15: 11.25,17 11.25,18.1 11.1,18.25 10.45,18.25 10.25,18.45 10.25,19.05 10.45,19.25 10.83,19.25 11.18,19.6 11.85,19.6 12,19.75 12,19.93
Board_2-/_{MB}HB2: length 1.5
  Top w0.25: U2#3.44 15.25,20
